# KiCad board ece499_project.kicad_pcb (continued)
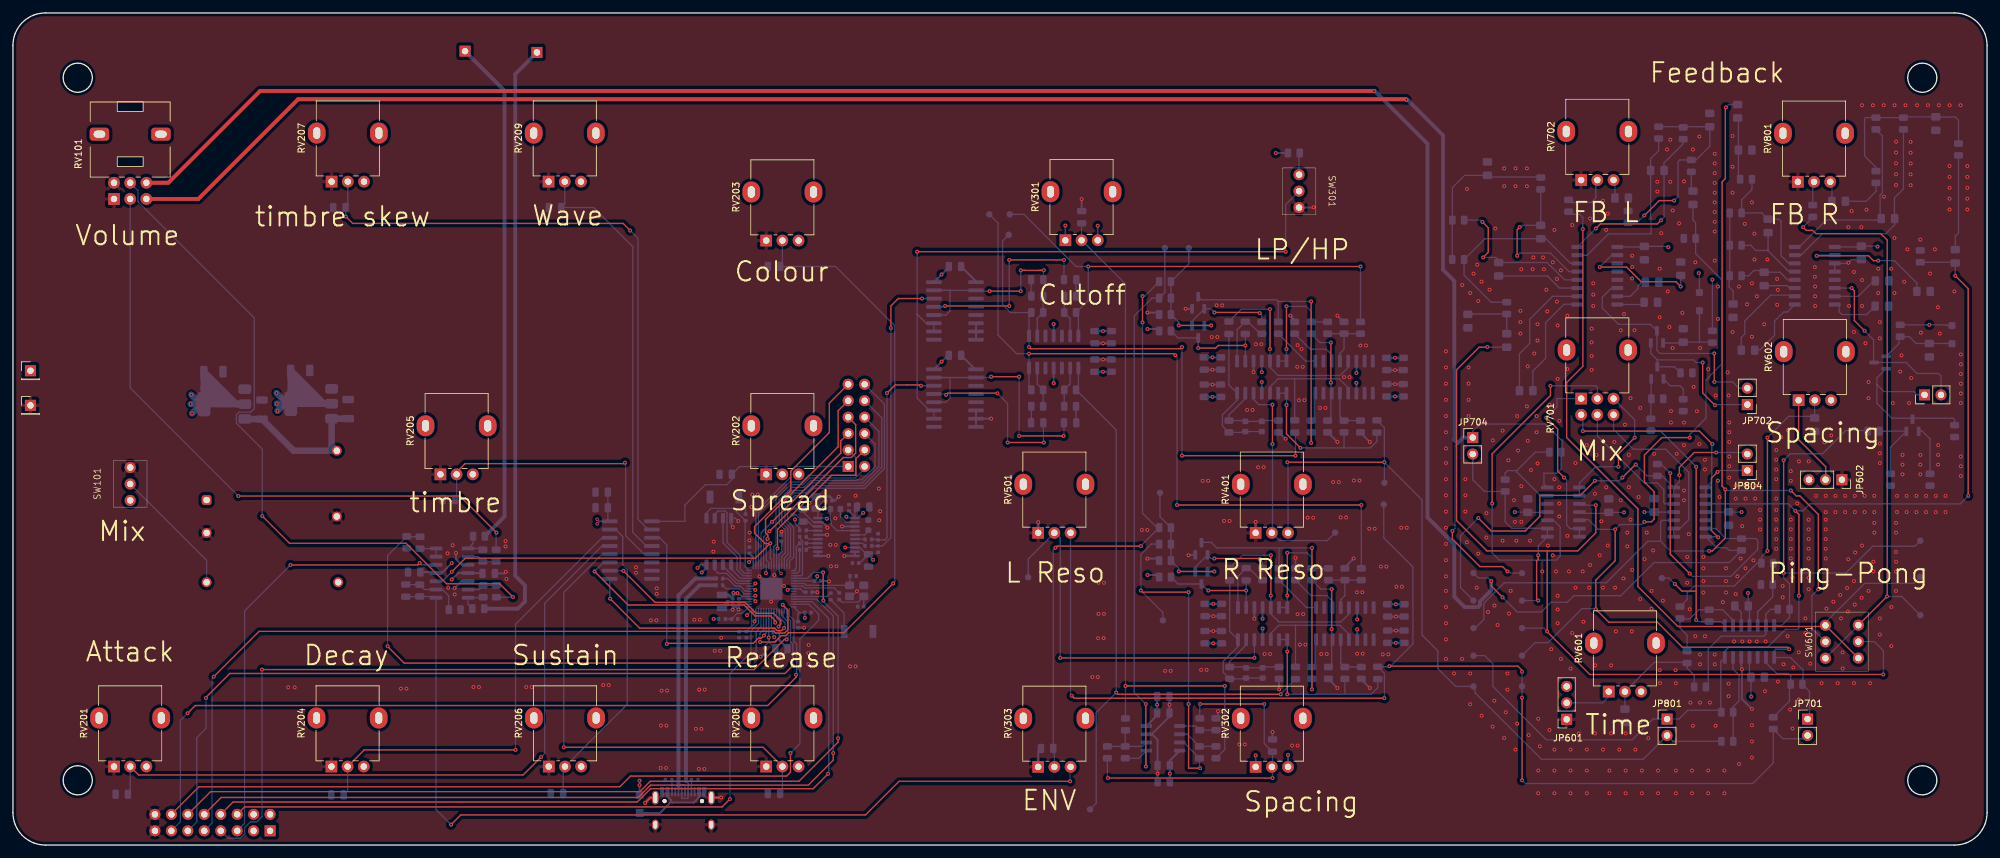
[diagram p0: board, top side]
## Routing (per net, layer and track width the routed paths; a pad name or vN(x,y) marks a point on that pad's centre or on a via; arc(x,y) is an arc through that point) (continued)
Net-(U303-A1): length 30.3
  Top w0.2: v1(143.92,83.25) v1(153.83,83.25) ; v1(162.28,90.36) v1(153.83,90.36)
  Bottom w0.2: U303.13 143.8,83.12 v1(143.92,83.25) ; v1(162.28,90.36) C315.1 ; v1(153.83,83.25) v1(153.83,90.36)
Net-(U304-A0): length 39.7
  Top w0.2: v1(155.35,63.18) v1(162.21,63.18) ; v1(151.04,72.33) v1(155.35,72.33)
  Bottom w0.2: v1(151.04,72.33) 150.91,72.2 U304.2 U304.15 144.69,72.2 144.69,69.02 144.05,68.39 U304.12 ; v1(155.35,72.33) v1(155.35,63.18) ; C316.1 162.28,63.25 v1(162.21,63.18)
Net-(U304-A1): length 26.9
  Top w0.2: v1(153.58,62.17) v1(159.16,62.17) ; v1(144.09,69.53) 144.34,69.79 151.96,69.79 v1(152,69.75)
  Bottom w0.2: v1(153.58,62.17) 153.58,68.17 v1(152,69.75) ; v1(144.09,69.53) 143.96,69.66 U304.13 ; C317.1 159.1,62.23 v1(159.16,62.17)
Net-(U401A-+): length 16
  Top w0.2: v1(203.49,77.59) v1(203.49,71.41)
  Bottom w0.2: v1(203.49,71.41) 203.49,69.91 U401.14 203.49,69.66 203.49,66.06 R415.2 ; v1(203.49,77.59) 203.49,77.55 203.45,77.59 201.81,77.59 R412.2
Net-(U401A--): length 7
  Bottom w0.2: U401.13 204.88,66.19 R417.2 R414.2
Net-(U401C-+): length 8
  Bottom w0.2: R403.1 200.29,76.58 202.75,76.58 203.61,75.71 U401.3
Net-(U401C--): length 9.6
  Bottom w0.2: R402.1 205.52,76.58 204.88,75.94 U401.4 ; R402.1 R401.2 ; R402.1 R408.2
Net-(U402B-+): length 30.2
  Top w0.2: v1(194.09,82.75) v1(194.09,76.58)
  Bottom w0.2: U401.5 206.15,73.76 204.91,72.51 195.34,72.51 194.09,73.76 U402.5 v1(194.09,76.58) ; C401.1 189.66,82.75 v1(194.09,82.75)
Net-(U402B--): length 18
  Top w0.2: v1(196.63,76.58) v1(196.63,83.18)
  Bottom w0.2: R408.1 R412.1 200.44,82.42 199.68,83.18 v1(196.63,83.18) ; v1(196.63,76.58) U402.7 195.36,74.74
Net-(U402C-+): length 21.4
  Bottom w0.2: U401.12 206.15,70.61 204.76,72.01 197.9,72.01 ; 197.9,72.01 195.34,72.01 194.09,70.76 U402.10 ; 197.9,72.01 197.9,65.59
Net-(U402C--): length 26.6
  Top w0.2: v1(196.63,67.94) 196.63,63.5 v1(198.79,61.34)
  Bottom w0.2: 205.52,61.34 209.58,61.34 210.6,62.35 C406.1 ; 205.52,61.34 R417.1 ; 205.52,61.34 v1(198.79,61.34) ; 195.36,69.79 U402.8 v1(196.63,67.94)
Net-(U402D-+): length 34.9
  Top w0.2: v1(194.47,61.91) v1(194.47,68.01)
  Bottom w0.2: v1(194.47,61.91) 194.47,48.2 194.45,48.21 RV401.2 195.57,47.01 202.91,47.01 TP7.1 ; U402.12 191.55,68.81 192.35,68.01 v1(194.47,68.01)
Net-(U501A-+): length 16
  Top w0.2: v1(203.61,39.54) v1(203.61,33.35)
  Bottom w0.2: v1(203.61,39.54) 203.61,39.5 203.57,39.54 201.94,39.54 R512.2 ; v1(203.61,33.35) 203.61,31.85 U501.14 203.61,31.6 203.61,28 R515.2
Net-(U501A--): length 7
  Bottom w0.2: U501.13 205.01,28.13 R517.2 R514.2
Net-(U501C-+): length 8
  Bottom w0.2: R503.1 200.42,38.52 202.87,38.52 203.74,37.65 U501.3
Net-(U501C--): length 9.6
  Bottom w0.2: U501.4 205.01,37.89 205.65,38.52 R502.1 ; R502.1 R508.2 ; R502.1 R501.2
Net-(U502B-+): length 30.3
  Top w0.2: v1(194.22,44.75) v1(194.22,38.52)
  Bottom w0.2: U501.5 206.28,35.7 205.03,34.46 195.46,34.46 194.22,35.7 U502.5 v1(194.22,38.52) ; C501.1 189.84,44.75 v1(194.22,44.75)
Net-(U502B--): length 18
  Top w0.2: v1(196.76,45.12) v1(196.76,38.52)
  Bottom w0.2: v1(196.76,45.12) 199.8,45.12 200.57,44.36 R512.1 R508.1 ; v1(196.76,38.52) U502.7 U502.6
Net-(U502C-+): length 21.4
  Bottom w0.2: 198.03,33.95 195.46,33.95 194.22,32.7 U502.10 ; 198.03,33.95 204.88,33.95 206.28,32.55 U501.12 ; 198.03,33.95 C503.1
Net-(U502C--): length 27.8
  Top w0.2: v1(196.76,29.88) v1(196.76,23.28)
  Bottom w0.2: 205.65,23.28 v1(196.76,23.28) ; 205.65,23.28 209.71,23.28 210.73,24.3 C506.1 ; 205.65,23.28 R517.1 ; v1(196.76,29.88) U502.8 U502.9
Net-(U502D-+): length 61.1
  Top w0.2: v1(161.7,28.89) v1(191.68,28.89)
  Bottom w0.2: TP8.1 156.75,44.17 RV501.2 160.92,48.21 161.7,47.43 v1(161.7,28.89) ; v1(191.68,28.89) U502.12
Net-(U605A--): length 15.8
  Bottom w0.2: U605.2 265.58,34.73 263.98,36.33 R606.2 260.3,36.33 258.89,34.92 257.48,34.92 R602.1 257.39,33.51 258.48,32.42 258.48,29.94 R601.1
Net-(U605B-+): length 10.6
  Bottom w0.2: R603.1 271.71,43.44 R605.1 271.71,38.34 269.39,36.02 U605.5
Net-(U605B--): length 21.1
  Bottom w0.2: R604.1 261.75,24.77 261.75,30.25 263.75,32.25 270.36,32.25 270.66,32.55 U605.6 270.66,35.69 271.39,36.42 R607.2
Net-(U605C--): length 13
  Bottom w0.2: U605.9 270.66,28.15 272.3,26.51 274.1,26.51 274.49,26.12 274.48,26.11 R704.2 274.29,24.63 274.29,22.23 R703.1
Net-(U605D--): length 13.7
  Bottom w0.2: R803.1 R804.2 265.6,21.35 266.5,22.25 266.5,26.25 265.58,27.17 U605.13
Net-(U701A--): length 21.9
  Top w0.2: v1(247.89,58.42) 247.89,60.42 v1(250.39,62.92)
  Bottom w0.2: v1(250.39,62.92) 250.39,65.68 RV701.3 ; U701.2 U701.1 241.87,55.89 244.39,58.42 v1(247.89,58.42)
Net-(U701B--): length 28.7
  Top w0.2: v1(236.75,66) 238.5,64.25 238.5,57.75 v1(239.5,56.75)
  Bottom w0.2: RV701.1 238.41,68.94 238.39,68.92 238.39,67.64 v1(236.75,66) ; v1(239.5,56.75) 239.89,56.36 239.89,49.42 240.43,48.88 U701.6 U701.7
Net-(U701C-+): length 56.7
  Top w0.2: v1(228.39,52.75) 228.39,60.42 237.39,69.42 v1(237.39,70.92)
  Bottom w0.2: U701.10 237.89,50.15 238.89,49.15 238.89,44.64 238.25,44 229.5,44 228.39,45.11 v1(228.39,52.75) ; v1(237.39,70.92) 244.39,70.92 244.63,70.68 RV701.2
Net-(U701D--): length 15.6
  Bottom w0.2: U701.13 235.85,53.96 232.19,57.62 232.19,57.82 ; 232.19,57.82 230.79,57.82 230.39,57.42 R717.1 ; 232.19,57.82 235.04,60.67 R719.2
Net-(U706-CC0): length 4.4
  Bottom w0.2: C710.1 251.85,83.53 251.8,83.47 U706.8
Net-(U706-CC1): length 5.5
  Bottom w0.2: U706.7 249.71,84.74 250.89,85.92 250.89,86.32 251.49,86.92 C707.1
Net-(U706-REF): length 18.9
  Top w0.2: v1(257.5,86.25) 256.75,87 251.4,87 249.15,89.25 v1(245,89.25)
  Bottom w0.2: v1(257.5,86.25) C717.2 ; v1(245,89.25) 246.85,91.09 U706.2
Net-(U801A--): length 28.1
  Bottom w0.2: 256.42,47.61 256.42,48.88 257.39,48.88 258.75,50.24 258.75,57.56 255.19,61.12 250.19,61.12 247.13,64.18 RV701.6
Net-(U801B-+): length 20.6
  Bottom w0.2: RV701.5 244.63,63.18 251.89,55.92 253.89,55.92 254.89,54.92 254.89,52.92 255.12,52.69 256.42,52.69
Net-(U801C--): length 31.8
  Top w0.2: v1(262.39,61.92) 260.39,63.92 v1(242.39,63.92)
  Bottom w0.2: RV701.4 242.39,66.18 v1(242.39,63.92) ; v1(262.39,61.92) 262.29,61.82 262.29,56.15 U801.8 U801.9
Net-(U801D--): length 41.9
  Top w0.2: v1(258.89,41.92) 255.89,44.92 v1(255.89,57.42)
  Bottom w0.2: R817.1 254.48,58.83 v1(255.89,57.42) ; v1(258.89,41.92) 259.31,41.5 265.25,41.5 269.39,45.64 269.39,47.02 269.08,47.33 R819.2 264.48,47.33 262.93,48.88 U801.13
Net-(U806-CC0): length 7.4
  Bottom w0.2: 281.98,83.47 281.98,82.33 282.39,81.92 286.21,81.92 C810.1
Net-(U806-CC1): length 7.2
  Bottom w0.2: U806.7 284.92,84.74 287.29,87.12 C807.1
Net-(U806-REF): length 21.3
  Top w0.2: v1(288,90.25) 287.25,90.25 286.5,91 v1(278.5,91)
  Bottom w0.2: v1(278.5,91) 278.6,91.09 U806.2 ; C817.2 293.96,86.79 290.5,90.25 v1(288,90.25)

## Copper pours and planes (outline as drawn; the poured copper is in the pictures)
+3V3 on In3.Cu: 86.45,55.75 134.75,55.75 134.75,26.75 86.45,26.75
+12V on In2.Cu: 0,128.5 304.75,128.5 304.75,0 0,0
-12V on In3.Cu: 0,128.5 304.75,128.5 304.75,0 0,0
GND on Top, Bottom: 0,128.5 304.75,128.5 304.75,0 0,0
GND on In1.Cu, In4.Cu: 0,0 304.75,0 304.75,128.5 0,128.5

## Text on the board
B.Silkscreen: L mod LPF | R mod LPF | L i/p / delay / MFBLPF | R O/P / delay / MFBLPF | R i/p / delay / MFB-LPF | L O/P / delay / MFBLPF | R Anti-latchup | R / VCO / ctrl | L / VCO / ctrl | HP/LP Switch | 0-3.3V to ±12V | Filter L | Filter R | Cutoff Freq / Mixers | GND | Global Delay | Spacing | +12V | POWER IN + | POWER IN - | BOOTSEL | RESET | L | R
F.Silkscreen: Volume | Attack | Mix | timbre skew | Decay | timbre | Sustain | Wave | Release | Spread | Colour | L Reso | ENV | Cutoff | R Reso | Spacing | LP/HP | FB L | Time | Feedback | Ping-Pong | FB R
